# KiCad board Polished Amethyst.kicad_pcb (continued)
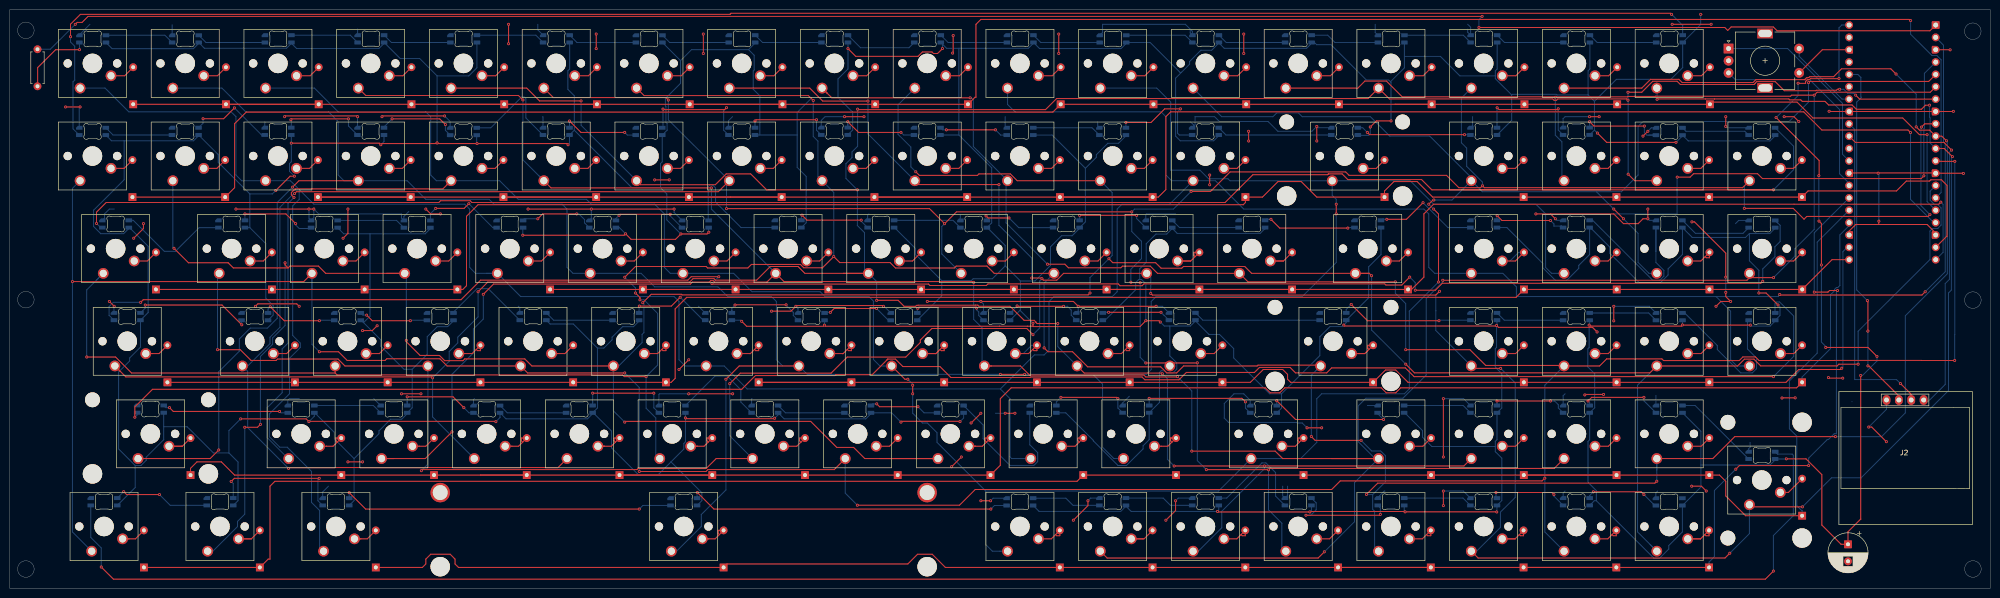
[diagram p0: board, top side]
## Footprints (pads in the part's own frame, mm; a bottom-side part is the same pattern mirrored in y, then rotated)
128x64OLED
  oval 1.6x2 hole 1: 1(-3.62,10.6) 2(-1.08,10.6) 3(1.46,10.6) 4(4,10.6)
CP_Radial_D8.0mm_P3.50mm
  rect 1.6x1.6 hole 0.8: 1(0,0)
  round 1.6 hole 0.8: 2(3.5,0)
D_DO-35_SOD27_P7.62mm_Horizontal
  rect 1.6x1.6 hole 0.8: 1(0,0)
  oval 1.6x1.6 hole 0.8: 2(7.62,0)
LED_MX_6028R
  rrect 1.35x0.82 smd: 1(2.725,0.75) 2(2.725,-0.75) 3(-2.725,0.75) 4(-2.725,-0.75)
R_Axial_DIN0207_L6.3mm_D2.5mm_P7.62mm_Horizontal
  round 1.6 hole 0.8: 1(0,0)
  oval 1.6x1.6 hole 0.8: 2(7.62,0)
RaspberryPi_Pico_Common_THT
  rrect 1.6x1.6 hole 1: 1(0,0)
  round 1.6 hole 1: 2(0,-2.54) 4(0,-7.62) 5(0,-10.16) 6(0,-12.7) 7(0,-15.24) 9(0,-20.32) 10(0,-22.86) 11(0,-25.4) 12(0,-27.94) 14(0,-33.02) 15(0,-35.56) 16(0,-38.1) 17(0,-40.64) 19(0,-45.72) 20(0,-48.26) 21(17.78,-48.26) 22(17.78,-45.72) 24(17.78,-40.64) 25(17.78,-38.1) 26(17.78,-35.56) 27(17.78,-33.02) 29(17.78,-27.94) 30(17.78,-25.4) 31(17.78,-22.86) 32(17.78,-20.32) 34(17.78,-15.24) 35(17.78,-12.7) 36(17.78,-10.16) 37(17.78,-7.62) 39(17.78,-2.54) 40(17.78,0)
  custom 1.6x1.6 hole 1: 3(0,-5.08) 8(0,-17.78) 13(0,-30.48) 18(0,-43.18) 23(17.78,-43.18) 28(17.78,-30.48) 33(17.78,-17.78) 38(17.78,-5.08)
RotaryEncoder_Alps_EC11E-Switch_Vertical_H20mm
  rect 2x2 hole 1: A(0,0)
  round 2 hole 1: B(0,-5) C(0,-2.5) S1(14.5,-5) S2(14.5,0)
  rect 3.2x2 hole 2.8x1.5: MP(7.5,3.1) MP(7.5,-8.1)
STAB_MX_2u
  round 3.048 hole 3.048 unplated: (-11.906,6.985) (11.906,6.985)
  round 3.988 hole 3.988 unplated: (-11.906,-8.255) (11.906,-8.255)
STAB_MX_P_6.25u
  round 4 hole 3.048: (-50.006,6.985) (50.006,6.985)
  round 3.988 hole 3.988 unplated: (-50.006,-8.255) (50.006,-8.255)
SW_Cherry_MX_1.00u_PCB
  round 1.7 hole 1.7 unplated: (-7.62,-5.08) (2.54,-5.08)
  round 4 hole 4 unplated: (-2.54,-5.08)
  round 2.2 hole 1.5: 1(0,0) 2(-6.35,-2.54)

## Nets
GND: A1.3 A1.8 A1.13 A1.18 A1.23 A1.28 A1.33 A1.38 C1.2 J2.1 LED1.4 LED2.4 LED3.4 LED4.4 LED5.4 LED6.4 LED7.4 LED8.4 LED9.4 LED10.4 LED11.4 LED12.4 LED13.4 LED14.4 LED15.4 LED16.4 LED17.4 LED18.4 LED19.4 LED20.4 LED21.4 LED22.4 LED23.4 LED24.4 LED25.4 LED26.4 LED27.4 LED28.4 LED29.4 LED30.4 LED31.4 LED32.4 LED33.4 LED34.4 LED35.4 LED36.4 LED37.4 LED38.4 LED39.4 LED40.4 LED41.4 LED42.4 LED43.4 LED44.4 LED45.4 LED46.4 LED47.4 LED48.4 LED49.4 LED50.4 LED51.4 LED52.4 LED53.4 LED54.4 LED55.4 LED56.4 LED57.4 LED58.4 LED59.4 LED60.4 LED61.4 LED62.4 LED63.4 LED64.4 LED65.4 LED66.4 LED67.4 LED68.4 LED69.4 LED70.4 LED71.4 LED72.4 LED73.4 LED74.4 LED75.4 LED76.4 LED77.4 LED78.4 LED79.4 LED80.4 LED81.4 LED82.4 LED83.4 LED84.4 LED85.4 LED86.4 LED87.4 LED88.4 LED89.4 LED90.4 LED91.4 LED92.4 LED93.4 LED94.4 LED95.4 LED96.4 LED97.4 LED98.4 LED99.4 LED100.4 SW101.C SW101.S1
VCC: A1.40 C1.1 LED1.1 LED2.1 LED3.1 LED4.1 LED5.1 LED6.1 LED7.1 LED8.1 LED9.1 LED10.1 LED11.1 LED12.1 LED13.1 LED14.1 LED15.1 LED16.1 LED17.1 LED18.1 LED19.1 LED20.1 LED21.1 LED22.1 LED23.1 LED24.1 LED25.1 LED26.1 LED27.1 LED28.1 LED29.1 LED30.1 LED31.1 LED32.1 LED33.1 LED34.1 LED35.1 LED36.1 LED37.1 LED38.1 LED39.1 LED40.1 LED41.1 LED42.1 LED43.1 LED44.1 LED45.1 LED46.1 LED47.1 LED48.1 LED49.1 LED50.1 LED51.1 LED52.1 LED53.1 LED54.1 LED55.1 LED56.1 LED57.1 LED58.1 LED59.1 LED60.1 LED61.1 LED62.1 LED63.1 LED64.1 LED65.1 LED66.1 LED67.1 LED68.1 LED69.1 LED70.1 LED71.1 LED72.1 LED73.1 LED74.1 LED75.1 LED76.1 LED77.1 LED78.1 LED79.1 LED80.1 LED81.1 LED82.1 LED83.1 LED84.1 LED85.1 LED86.1 LED87.1 LED88.1 LED89.1 LED90.1 LED91.1 LED92.1 LED93.1 LED94.1 LED95.1 LED96.1 LED97.1 LED98.1 LED99.1 LED100.1
CLM1: A1.2 SW1.1 SW11.1 SW21.1 SW31.1 SW41.1 SW51.1 SW61.1 SW71.1 SW81.1 SW91.1
CLM2: A1.4 SW2.1 SW12.1 SW22.1 SW32.1 SW42.1 SW52.1 SW62.1 SW72.1 SW82.1 SW92.1
CLM3: A1.5 SW3.1 SW13.1 SW23.1 SW33.1 SW43.1 SW53.1 SW63.1 SW73.1 SW83.1 SW93.1
CLM4: A1.6 SW4.1 SW14.1 SW24.1 SW34.1 SW44.1 SW54.1 SW64.1 SW74.1 SW84.1 SW94.1
CLM5: A1.7 SW5.1 SW15.1 SW25.1 SW35.1 SW45.1 SW55.1 SW65.1 SW75.1 SW85.1 SW95.1
CLM6: A1.9 SW6.1 SW16.1 SW26.1 SW36.1 SW46.1 SW56.1 SW66.1 SW76.1 SW86.1 SW96.1
CLM7: A1.10 SW7.1 SW17.1 SW27.1 SW37.1 SW47.1 SW57.1 SW67.1 SW77.1 SW87.1 SW97.1
CLM8: A1.11 SW8.1 SW18.1 SW28.1 SW38.1 SW48.1 SW58.1 SW68.1 SW78.1 SW88.1 SW98.1
CLM9: A1.12 SW9.1 SW19.1 SW29.1 SW39.1 SW49.1 SW59.1 SW69.1 SW79.1 SW89.1 SW99.1
CLM10: A1.14 SW10.1 SW20.1 SW30.1 SW40.1 SW50.1 SW60.1 SW70.1 SW80.1 SW90.1 SW100.1
EC-A: A1.29 SW101.A
EC-B: A1.27 SW101.B
ECSW-A: A1.34 SW101.S2
I2C3.3: A1.36 J2.2
I2C SCL: A1.32 J2.3
I2C SDA: A1.31 J2.4
LED: A1.1 R1.1
ROW1: A1.15 D1.1 D2.1 D3.1 D4.1 D5.1 D6.1 D7.1 D8.1 D9.1 D10.1
ROW2: A1.16 D11.1 D12.1 D13.1 D14.1 D15.1 D16.1 D17.1 D18.1 D19.1 D20.1
ROW3: A1.17 D21.1 D22.1 D23.1 D24.1 D25.1 D26.1 D27.1 D28.1 D29.1 D30.1
ROW4: A1.19 D31.1 D32.1 D33.1 D34.1 D35.1 D36.1 D37.1 D38.1 D39.1 D40.1
ROW5: A1.20 D41.1 D42.1 D43.1 D44.1 D45.1 D46.1 D47.1 D48.1 D49.1 D50.1
ROW6: A1.21 D51.1 D52.1 D53.1 D54.1 D55.1 D56.1 D57.1 D58.1 D59.1 D60.1
ROW7: A1.22 D61.1 D62.1 D63.1 D64.1 D65.1 D66.1 D67.1 D68.1 D69.1 D70.1
ROW8: A1.24 D71.1 D72.1 D73.1 D74.1 D75.1 D76.1 D77.1 D78.1 D79.1 D80.1
ROW9: A1.25 D81.1 D82.1 D83.1 D84.1 D85.1 D86.1 D87.1 D88.1 D89.1 D90.1
ROW10: A1.26 D91.1 D92.1 D93.1 D94.1 D95.1 D96.1 D97.1 D98.1 D99.1 D100.1
Row Eight: LED80.2 LED81.3
Row Five: LED50.2 LED51.3
Row Four: LED40.2 LED41.3
Row Nine: LED90.2 LED91.3
Row One: LED10.2 LED11.3
Row Seven: LED70.2 LED71.3
Row Six: LED60.2 LED61.3
Row Ten: LED100.2
Row Three: LED30.2 LED31.3
Row Two: LED20.2 LED21.3
Net-(D1-A): D1.2 SW1.2
Net-(D2-A): D2.2 SW2.2
Net-(D3-A): D3.2 SW3.2
Net-(D4-A): D4.2 SW4.2
Net-(D5-A): D5.2 SW5.2
Net-(D6-A): D6.2 SW6.2
Net-(D7-A): D7.2 SW7.2
Net-(D8-A): D8.2 SW8.2
Net-(D9-A): D9.2 SW9.2
Net-(D10-A): D10.2 SW10.2
Net-(D11-A): D11.2 SW11.2
Net-(D12-A): D12.2 SW12.2
Net-(D13-A): D13.2 SW13.2
Net-(D14-A): D14.2 SW14.2
Net-(D15-A): D15.2 SW15.2
Net-(D16-A): D16.2 SW16.2
Net-(D17-A): D17.2 SW17.2
Net-(D18-A): D18.2 SW18.2
Net-(D19-A): D19.2 SW19.2
Net-(D20-A): D20.2 SW20.2
Net-(D21-A): D21.2 SW21.2
Net-(D22-A): D22.2 SW22.2
Net-(D23-A): D23.2 SW23.2
Net-(D24-A): D24.2 SW24.2
Net-(D25-A): D25.2 SW25.2
Net-(D26-A): D26.2 SW26.2
Net-(D27-A): D27.2 SW27.2
Net-(D28-A): D28.2 SW28.2
Net-(D29-A): D29.2 SW29.2
Net-(D30-A): D30.2 SW30.2
Net-(D31-A): D31.2 SW31.2
Net-(D32-A): D32.2 SW32.2
Net-(D33-A): D33.2 SW33.2
Net-(D34-A): D34.2 SW34.2
Net-(D35-A): D35.2 SW35.2
Net-(D36-A): D36.2 SW36.2
Net-(D37-A): D37.2 SW37.2
Net-(D38-A): D38.2 SW38.2
Net-(D39-A): D39.2 SW39.2
Net-(D40-A): D40.2 SW40.2
Net-(D41-A): D41.2 SW41.2
Net-(D42-A): D42.2 SW42.2
Net-(D43-A): D43.2 SW43.2
Net-(D44-A): D44.2 SW44.2
Net-(D45-A): D45.2 SW45.2
Net-(D46-A): D46.2 SW46.2
Net-(D47-A): D47.2 SW47.2
Net-(D48-A): D48.2 SW48.2
Net-(D49-A): D49.2 SW49.2
Net-(D50-A): D50.2 SW50.2
Net-(D51-A): D51.2 SW51.2
Net-(D52-A): D52.2 SW52.2
Net-(D53-A): D53.2 SW53.2
Net-(D54-A): D54.2 SW54.2
Net-(D55-A): D55.2 SW55.2
Net-(D56-A): D56.2 SW56.2
Net-(D57-A): D57.2 SW57.2
Net-(D58-A): D58.2 SW58.2
Net-(D59-A): D59.2 SW59.2
Net-(D60-A): D60.2 SW60.2
Net-(D61-A): D61.2 SW61.2
Net-(D62-A): D62.2 SW62.2
Net-(D63-A): D63.2 SW63.2
Net-(D64-A): D64.2 SW64.2
Net-(D65-A): D65.2 SW65.2
Net-(D66-A): D66.2 SW66.2
Net-(D67-A): D67.2 SW67.2
Net-(D68-A): D68.2 SW68.2
Net-(D69-A): D69.2 SW69.2
Net-(D70-A): D70.2 SW70.2
Net-(D71-A): D71.2 SW71.2
Net-(D72-A): D72.2 SW72.2
Net-(D73-A): D73.2 SW73.2
Net-(D74-A): D74.2 SW74.2
Net-(D75-A): D75.2 SW75.2
Net-(D76-A): D76.2 SW76.2
Net-(D77-A): D77.2 SW77.2
Net-(D78-A): D78.2 SW78.2
Net-(D79-A): D79.2 SW79.2
Net-(D80-A): D80.2 SW80.2
Net-(D81-A): D81.2 SW81.2
Net-(D82-A): D82.2 SW82.2
Net-(D83-A): D83.2 SW83.2
Net-(D84-A): D84.2 SW84.2
Net-(D85-A): D85.2 SW85.2
Net-(D86-A): D86.2 SW86.2
Net-(D87-A): D87.2 SW87.2
Net-(D88-A): D88.2 SW88.2
Net-(D89-A): D89.2 SW89.2
Net-(D90-A): D90.2 SW90.2
Net-(D91-A): D91.2 SW91.2
Net-(D92-A): D92.2 SW92.2
Net-(D93-A): D93.2 SW93.2
Net-(D94-A): D94.2 SW94.2
Net-(D95-A): D95.2 SW95.2
Net-(D96-A): D96.2 SW96.2
Net-(D97-A): D97.2 SW97.2
Net-(D98-A): D98.2 SW98.2
Net-(D99-A): D99.2 SW99.2
Net-(D100-A): D100.2 SW100.2
Net-(LED1-DIN): LED1.3 R1.2
Net-(LED1-DOUT): LED1.2 LED2.3
Net-(LED2-DOUT): LED2.2 LED3.3
Net-(LED3-DOUT): LED3.2 LED4.3
Net-(LED4-DOUT): LED4.2 LED5.3
Net-(LED5-DOUT): LED5.2 LED6.3
Net-(LED6-DOUT): LED6.2 LED7.3
Net-(LED7-DOUT): LED7.2 LED8.3
Net-(LED8-DOUT): LED8.2 LED9.3
Net-(LED10-DIN): LED9.2 LED10.3
Net-(LED11-DOUT): LED11.2 LED12.3
Net-(LED12-DOUT): LED12.2 LED13.3
Net-(LED13-DOUT): LED13.2 LED14.3
Net-(LED14-DOUT): LED14.2 LED15.3
Net-(LED15-DOUT): LED15.2 LED16.3
Net-(LED16-DOUT): LED16.2 LED17.3
Net-(LED17-DOUT): LED17.2 LED18.3
Net-(LED18-DOUT): LED18.2 LED19.3
Net-(LED19-DOUT): LED19.2 LED20.3
Net-(LED21-DOUT): LED21.2 LED22.3
Net-(LED22-DOUT): LED22.2 LED23.3
Net-(LED23-DOUT): LED23.2 LED24.3
Net-(LED24-DOUT): LED24.2 LED25.3
Net-(LED25-DOUT): LED25.2 LED26.3
Net-(LED26-DOUT): LED26.2 LED27.3
Net-(LED27-DOUT): LED27.2 LED28.3
Net-(LED28-DOUT): LED28.2 LED29.3
Net-(LED29-DOUT): LED29.2 LED30.3
Net-(LED31-DOUT): LED31.2 LED32.3
Net-(LED32-DOUT): LED32.2 LED33.3
Net-(LED33-DOUT): LED33.2 LED34.3
Net-(LED34-DOUT): LED34.2 LED35.3
Net-(LED35-DOUT): LED35.2 LED36.3
Net-(LED36-DOUT): LED36.2 LED37.3
Net-(LED37-DOUT): LED37.2 LED38.3
Net-(LED38-DOUT): LED38.2 LED39.3
Net-(LED39-DOUT): LED39.2 LED40.3
Net-(LED41-DOUT): LED41.2 LED42.3
Net-(LED42-DOUT): LED42.2 LED43.3
Net-(LED43-DOUT): LED43.2 LED44.3
Net-(LED44-DOUT): LED44.2 LED45.3
Net-(LED45-DOUT): LED45.2 LED46.3
Net-(LED46-DOUT): LED46.2 LED47.3
Net-(LED47-DOUT): LED47.2 LED48.3
Net-(LED48-DOUT): LED48.2 LED49.3
Net-(LED49-DOUT): LED49.2 LED50.3
Net-(LED51-DOUT): LED51.2 LED52.3
Net-(LED52-DOUT): LED52.2 LED53.3
Net-(LED53-DOUT): LED53.2 LED54.3
Net-(LED54-DOUT): LED54.2 LED55.3
Net-(LED55-DOUT): LED55.2 LED56.3
Net-(LED56-DOUT): LED56.2 LED57.3
Net-(LED57-DOUT): LED57.2 LED58.3
Net-(LED58-DOUT): LED58.2 LED59.3
Net-(LED59-DOUT): LED59.2 LED60.3
Net-(LED61-DOUT): LED61.2 LED62.3
Net-(LED62-DOUT): LED62.2 LED63.3
Net-(LED63-DOUT): LED63.2 LED64.3
Net-(LED64-DOUT): LED64.2 LED65.3
Net-(LED65-DOUT): LED65.2 LED66.3
Net-(LED66-DOUT): LED66.2 LED67.3
Net-(LED67-DOUT): LED67.2 LED68.3
Net-(LED68-DOUT): LED68.2 LED69.3
Net-(LED69-DOUT): LED69.2 LED70.3
Net-(LED71-DOUT): LED71.2 LED72.3
Net-(LED72-DOUT): LED72.2 LED73.3
Net-(LED73-DOUT): LED73.2 LED74.3
Net-(LED74-DOUT): LED74.2 LED75.3
Net-(LED75-DOUT): LED75.2 LED76.3
Net-(LED76-DOUT): LED76.2 LED77.3
Net-(LED77-DOUT): LED77.2 LED78.3
Net-(LED78-DOUT): LED78.2 LED79.3
Net-(LED79-DOUT): LED79.2 LED80.3
Net-(LED81-DOUT): LED81.2 LED82.3
Net-(LED82-DOUT): LED82.2 LED83.3
Net-(LED83-DOUT): LED83.2 LED84.3
Net-(LED84-DOUT): LED84.2 LED85.3
Net-(LED85-DOUT): LED85.2 LED86.3
Net-(LED86-DOUT): LED86.2 LED87.3
Net-(LED87-DOUT): LED87.2 LED88.3
Net-(LED88-DOUT): LED88.2 LED89.3
Net-(LED89-DOUT): LED89.2 LED90.3
Net-(LED91-DOUT): LED91.2 LED92.3
Net-(LED92-DOUT): LED92.2 LED93.3
Net-(LED93-DOUT): LED93.2 LED94.3
Net-(LED94-DOUT): LED94.2 LED95.3
Net-(LED95-DOUT): LED95.2 LED96.3
Net-(LED96-DOUT): LED96.2 LED97.3
Net-(LED97-DOUT): LED97.2 LED98.3
Net-(LED98-DOUT): LED98.2 LED99.3
Net-(LED100-DIN): LED99.2 LED100.3

Pads without a net: A1 30 35 37 39; SW101 MP

## Via types
v1: diameter 0.6, hole 0.3, Top to Bottom, 419 vias

## Routing (per net, layer and track width the routed paths; a pad name or vN(x,y) marks a point on that pad's centre or on a via; arc(x,y) is an arc through that point)
GND: length 749.9
  Top w0.2: v1(142.46,110) v1(142.46,114) ; v1(329.46,55) v1(329.46,58) ; 316.46,77 v1(313.46,77) ; 316.46,77 v1(317.46,76) ; 316.46,77 329.46,77 331.46,75 334.46,75 335.46,76 v1(336.46,76) v1(336.46,78) ; v1(294.46,39) v1(294.46,27) ; v1(268.46,92) v1(268.46,95) ; v1(75.46,54) 74.46,53 v1(72.46,53) ; v1(221.46,18) 221.46,17 v1(218.46,14) ; A1.18 395.58,73.07 393.83,74.82 383.88,74.82 ; v1(215.46,114) v1(215.46,110) ; v1(336.46,94) v1(335.46,93) ; v1(46.46,78) v1(61.46,78) v1(62.46,78) ; v1(327.36,39.87) 326.76,39.87 326.77,39.88 323.62,39.88 v1(323.51,39.77) ; v1(188.46,59) v1(199.46,59) 218.46,59 v1(219.46,58) v1(235.46,58) ; v1(352.46,64) 352.46,68.94 346.04,75.36 v1(345.51,75.36) ; v1(193.46,25) v1(195.46,27) ; v1(136.46,78) v1(119.46,78) v1(106.46,78) ; v1(352.46,95) v1(352.46,97) ; v1(373.55,43.34) 373.67,43.22 v1(376.49,43.22) ; v1(352.46,60.87) 352.46,60 v1(353.46,59) 351.46,59 v1(350.46,58) ; v1(69.46,26) v1(72.46,26) ; A1.38 372.3,110.77 SW101.S1 ; v1(156.46,57) 160.46,57 v1(161.46,58) 161.61,58.15 179.31,58.15 v1(179.46,58) ; v1(237.46,14) 239.46,16 v1(239.46,18) ; v1(193.66,110.08) 193.78,110.2 v1(193.78,113.69) ; v1(246.46,83) v1(246.46,85) ; v1(135.46,84) v1(132.46,84) ; v1(21.46,58) v1(20.46,59) ; 89.46,97 v1(89.31,97.15) 76.61,97.15 v1(76.46,97) ; v1(398.55,110.75) 398.42,110.75 398.41,110.76 398.41,110.78 398.4,110.77 A1.3 ; v1(364.46,97) 366.46,97 v1(367.46,96) ; v1(120.46,111) v1(120.46,114) ; v1(69.46,78) 69.46,73 v1(68.46,72) ; v1(383.91,75.51) 383.88,75.48 383.88,74.82 ; v1(381.82,33.16) 382.44,33.16 v1(385.45,30.15) ; v1(399.21,98.1) 399.18,98.07 A1.8 ; 383.88,74.82 379.15,74.82 377.8,73.47 A1.23 ; v1(88.46,77) 86.46,77 v1(85.46,78) ; v1(364.02,39.14) 364.05,39.17 v1(366.72,39.17) ; v1(294.46,20) v1(294.46,17) ; v1(59.46,58) 58.95,58.51 50.97,58.51 v1(50.46,58) ; 395.58,97.43 A1.8 ; A1.8 A1.33 373.73,98.07 v1(373.69,98.11) ; v1(324.46,97) v1(326.46,97) ; v1(345.46,21) 347.46,21 v1(348.46,20) ; v1(14.46,99) v1(11.46,99) ; v1(206.46,36) v1(204.46,36) ; v1(71.46,97) 71.31,97.15 56.61,97.15 v1(56.46,97) ; v1(139.46,40) v1(148.49,40) ; v1(199.46,36) v1(197.46,34) ; v1(137.46,45) v1(139.46,47) ; A1.28 377.86,85.43 395.52,85.43 A1.13 401.23,85.37 v1(401.27,85.33) ; v1(80.46,40) v1(84.46,40) ; v1(253.46,114) v1(253.46,110) ; v1(25.46,72) 27.46,74 v1(27.46,75) ; v1(171.46,97) v1(175.46,97) ; v1(102.46,112) v1(102.46,116) ; v1(341.46,116) v1(349.46,116) ; v1(266.46,33) v1(269.46,33) ; v1(201.46,18) v1(199.46,18) ; v1(254.46,94) v1(254.46,92)
  Bottom w0.2: LED53.4 336.78,75.68 v1(336.46,76) ; LED46.4 195.25,76.79 ; LED37.4 19.46,76.13 19.46,77 20.46,78 21.46,78 ; 152.46,39 152.37,38.91 LED78.4 ; v1(381.82,33.16) 385.48,36.82 J2.1 ; 242.46,115 242.46,114.21 LED13.4 242.91,114.55 241.46,116 224.46,116 224.46,114.34 LED12.4 ; LED48.4 233.33,76.87 233.46,77 239.46,77 ; 378.39,38.37 378.37,38.39 ; v1(383.91,75.51) 383.91,85.23 v1(383.76,85.38) ; 109.46,97 109.52,96.94 LED24.4 ; v1(294.46,39) 298.61,39 LED85.4 ; 65.46,21 64.27,19.81 LED91.4 ; 108.46,116 108.46,114.86 LED6.4 ; LED94.4 222.01,18.55 v1(221.46,18) ; LED29.4 204.46,95.04 204.46,97 ; LED65.4 219.46,57.05 v1(219.46,58) ; 338.46,20 338.1,19.64 LED100.4 ; LED70.4 336.75,58 v1(329.46,58) ; 148.46,97 147.62,96.16 LED26.4 ; 229.96,39.5 228.58,38.12 LED82.4 ; v1(201.46,18) 201.99,18.53 LED93.4 ; 282.46,20 282.32,20 280.97,18.65 LED97.4 ; v1(336.46,94) 337.17,94.71 LED35.4 ; LED64.4 200.01,58.45 v1(199.46,59) ; 261.46,21 261.46,19 LED96.4 262.46,19.1 262.46,21 ; 52.46,96 52.38,95.92 LED21.4 ; v1(352.46,95) 352.74,94.72 LED36.4 ; LED42.4 119.46,76.09 v1(119.46,78) ; v1(89.31,97.15) 90.46,96 LED23.4 ; v1(179.46,58) 179.58,58 LED63.4 ; v1(294.46,20) 298.55,20 LED98.4 ; v1(71.46,97) 71.42,96.96 LED22.4 ; LED83.4 254.78,38.68 253.46,40 251.46,40 249.46,38 249.46,35 250.35,34.11 264.35,34.11 264.46,34 265.46,34 v1(266.46,33) ; LED87.4 338.12,39.66 ; LED59.4 104.76,57.7 104.46,58 ; LED45.4 176.2,76.74 176.46,77 ; 319.46,40 319.06,39.6 LED86.4 ; v1(161.46,58) 161.91,57.55 LED62.4 ; v1(317.46,76) 317.77,75.69 LED52.4 ; LED55.4 21.4,57.94 v1(21.46,58) ; 319.46,20 319.06,19.6 LED99.4 ; LED19.4 14.28,98.82 v1(14.46,99) ; v1(61.46,78) 61.46,76.1 LED39.4 62.46,76.24 v1(62.46,78) 63.46,77 80.46,77 80.46,76.15 LED40.4 80.95,76.49 81.96,77.5 ; LED54.4 355.13,75.67 354.46,75 ; LED15.4 280.46,114.3 280.46,116 ; LED4.4 71.45,114.99 71.46,115 ; LED27.4 166.68,96.22 167.46,97 v1(171.46,97) ; LED1.4 14.31,113.85 16.46,116 ; v1(204.46,36) 202.46,36 ; LED75.4 95.25,38.79 95.46,39 ; LED32.4 268.73,94.73 v1(268.46,95) 267.46,94 260.46,94 258.46,96 248.46,96 247.46,97 243.46,97 243.46,95.33 LED31.4 243.13,95 243.13,95.33 242.46,96 ; LED33.4 300.46,95.17 300.46,97 ; LED66.4 236.74,58 v1(235.46,58) ; LED61.4 142.82,56.64 141.46,58 ; LED43.4 136.46,77.3 v1(136.46,78) ; 223.46,96 223.46,95.06 LED30.4 ; LED84.4 278.86,37.6 ; LED2.4 33.36,115.9 ; LED88.4 357.16,28.7 357.46,29 357.46,30 ; v1(324.46,97) 319.46,97 319.05,96.59 LED34.4 ; LED73.4 57.11,38.65 57.46,39 59.46,39 ; LED95.4 240.01,18.55 v1(239.46,18) ; 299.46,116 300.06,115.4 LED16.4 299.46,114.36 299.46,115 ; v1(139.46,40) 133.46,40 133.33,39.87 LED77.4 ; LED74.4 74.77,39 ; v1(352.46,64) v1(352.46,60.87)
VCC: length 2387
  Top w0.2: v1(324.4,54.13) 324.61,53.92 343.33,53.92 v1(343.57,54.16) 343.6,54.13 v1(357.52,54.13) ; v1(279.44,94.88) 280.69,96.13 v1(283.71,96.13) ; 210.17,53.9 v1(210.17,54.51) ; 210.17,53.9 210.24,53.82 232.14,53.82 v1(233.35,55.03) 236.05,55.03 v1(236.32,54.77) ; 210.17,53.9 209,53.9 208.99,53.9 203.33,53.9 203.33,53.9 167.56,53.9 v1(167.33,54.13) 167.1,53.89 151.36,53.89 v1(150.34,54.91) ; v1(371.58,84.87) 371.59,84.86 371.64,84.86 371.64,87.98 v1(362.8,96.82) ; 380.18,14.24 377.57,11.63 C1.1 376.16,9.04 372.19,13.01 372.19,23.37 368.95,26.62 v1(364.9,26.62) ; 380.18,14.24 v1(380.18,43.76) ; 380.18,14.24 380.18,14.12 ; v1(363.2,58.27) 360.74,60.73 v1(359.26,60.73) ; 95.99,91.47 v1(95.98,91.47) ; 95.99,91.47 114.44,91.47 v1(114.68,91.23) ; 95.99,91.47 95.99,91.47 87.77,91.47 ; v1(99.85,34.27) 99.78,34.34 61.52,34.34 v1(61.46,34.27) 60.88,34.85 v1(47.43,34.85) ; v1(347.31,118.05) 347.53,118.05 347.53,118.05 ; 87.77,91.47 v1(87.77,91.61) ; 87.77,91.47 76.47,91.47 v1(76.22,91.23) 75.89,91.55 v1(57.83,91.55) ; v1(138.78,35.04) 138.95,34.88 157.02,34.88 v1(157.11,34.97) ; v1(58.47,84.76) 57.58,84.76 v1(54.66,81.83) ; v1(305.43,15.69) 305.4,15.72 v1(286.59,15.72) 286.51,15.8 267.14,15.8 v1(267.04,15.7) 248.16,15.7 v1(248.05,15.81) ; v1(372.11,66.5) 372.11,75.03 v1(371.61,75.53) ; v1(195.18,34.28) 195.12,34.34 183.23,34.34 v1(183.06,34.17) ; v1(172.17,111) 173.76,109.41 186.57,109.41 187.47,110.31 189.41,110.31 189.72,110 190.57,110 v1(191.58,111) ; v1(105.38,72.62) 126.2,72.62 v1(126.49,72.91) 127.63,71.77 136.74,71.77 v1(137.85,72.88) 143.23,72.88 v1(143.59,73.24) ; v1(375.72,104.85) 375.69,104.82 369.85,104.82 369.68,104.65 369.55,104.65 369.49,104.6 369.21,104.6 368.86,104.25 368.86,103.86 367.32,103.86 v1(367.32,103.89) ; v1(326.03,52.72) 325.09,53.67 305.76,53.67 v1(305.39,54.05) 305.28,53.94 274.2,53.94 v1(274.01,54.14) ; v1(326.1,93.63) 328,91.72 v1(342.25,91.72) ; v1(373,49.54) 381.67,49.54 v1(383.52,47.69) 383.58,47.63
  Bottom w0.2: 308.49,101.47 308.6,101.59 317.7,101.59 317.81,101.47 324.19,101.47 ; 308.49,101.47 308.49,96.25 LED33.1 ; 308.49,101.47 305.14,104.83 305.14,105.39 ; 248.36,112.16 LED13.1 ; 248.36,112.16 246.86,110.66 244.65,110.66 242.34,108.35 242.34,107.8 240.64,106.1 ; 248.36,112.16 249.46,111.06 266.35,111.06 267.41,112.12 LED14.1 267.98,112.26 268.43,111.81 271.38,111.81 278.65,104.54 283.23,104.54 283.59,104.18 ; 238.78,74 237.63,72.85 235.41,72.85 233.42,70.86 233.42,67.04 232.09,65.71 232.09,63.5 ; 238.78,74 239.79,72.99 256.83,72.99 257.85,74.02 257.85,74.14 ; 238.78,74 238.78,74.13 ; v1(364.9,26.62) 364.87,26.59 LED88.1 362.61,26.41 361.55,25.35 347.36,25.35 ; 137.78,108.53 140.03,110.78 151.75,110.78 ; 137.78,108.53 137.78,103.86 134.67,100.75 134.67,99.2 134.78,99.09 134.78,95.86 135.02,95.62 135.02,94.22 LED25.1 134.02,87.72 133.67,87.37 133.67,82.39 ; 137.78,108.53 LED7.1 ; 82.66,45.05 85.75,48.13 85.75,51.75 87.82,53.82 89.96,53.82 91.14,55 LED58.1 ; 82.66,45.05 82.66,37.12 LED74.1 ; 82.66,45.05 80.98,45.05 76.21,49.81 76.21,51.09 72.66,54.64 ; 157.82,36.04 LED78.1 ; 157.82,36.04 157.82,35.68 v1(157.11,34.97) ; 157.82,36.04 LED78.1 ; LED78.1 159.06,34.85 175.82,34.85 176.89,35.92 LED79.1 181.14,36.09 v1(183.06,34.17) ; A1.40 376.28,115.85 375.72,115.29 v1(375.72,104.85) ; LED64.1 207.51,57.18 ; 207.51,57.18 v1(210.17,54.51) ; 207.51,57.18 207.58,57.25 207.58,63.21 ; 325.49,94.24 325.49,100.17 ; 325.49,94.24 LED34.1 ; 325.49,94.24 v1(326.1,93.63) ; 325.49,100.17 330,104.68 341.2,104.68 343.62,107.11 LED18.1 347.31,115.95 v1(347.31,118.05) ; 325.49,100.17 324.19,101.47 ; v1(126.49,72.91) 125.23,74.17 LED42.1 ; v1(143.59,73.24) 143.54,73.28 LED43.1 ; 70.73,26.68 70.73,18.04 LED91.1 ; 70.73,26.68 75.84,31.79 75.84,32.38 78.24,34.77 80.49,34.77 81.63,35.92 81.63,36.04 ; 70.73,26.68 66.68,30.72 66.68,32.06 62.65,36.09 LED73.1 62.56,35.38 v1(61.46,34.27) ; v1(283.71,96.13) 283.71,104.05 283.59,104.18 ; LED51.1 307.51,74.19 314.88,66.82 314.88,65.93 317.48,63.32 319.79,63.32 322.26,65.8 322.26,66.41 324.5,68.65 LED52.1 324.63,74.19 328.65,70.17 328.65,68.91 334.69,62.87 339.04,62.87 340.62,64.44 340.62,65.71 343.56,68.66 LED53.1 345.58,72.16 356.52,72.16 357.32,72.96 ; 161.74,93.23 161.74,86.56 163.59,84.71 163.59,75.18 LED44.1 ; 161.74,93.23 161.74,97.88 164.8,100.95 170.12,100.95 ; 161.74,93.23 154.07,93.23 ; 49.31,74.18 52.59,70.9 52.59,59.67 54.11,58.16 54.11,56.19 LED56.1 ; 49.31,74.18 49.31,81.11 ; 49.31,74.18 LED38.1 ; 325.87,18.01 325.87,20.09 324.16,21.8 324.16,30.21 324.51,30.56 LED86.1 ; 325.87,18.01 325.47,18.01 LED99.1 ; 325.87,18.01 337.69,6.19 338.87,6.19 340.75,8.08 340.75,8.78 343.55,11.58 LED100.1 347.36,20.83 347.36,25.35 ; LED11.1 210.34,112.19 ; 210.34,112.19 211.52,111.01 228.25,111.01 229.32,112.08 LED12.1 234.23,112.25 240.38,106.1 240.64,106.1 ; 210.34,112.19 209.21,111.06 194.95,111.06 ; 120.71,49.4 115.76,54.35 111,54.35 LED59.1 ; 120.71,49.4 120.71,37.08 119.78,36.15 ; 120.71,49.4 122.03,49.4 123.72,51.1 123.72,51.64 125.89,53.81 128.12,53.81 129.26,54.96 LED60.1 ; 240.64,106.1 239.46,104.93 239.46,93 240.42,92.04 247.28,92.04 248.31,93.07 LED31.1 ; LED47.1 219.75,74.13 219.75,74.13 ; LED47.1 220.93,75.36 220.93,86.39 ; LED47.1 219.75,74.13 ; 170.12,100.95 170.12,104.77 172.17,106.81 v1(172.17,111) LED9.1 ; 170.12,100.95 173.14,97.93 173.14,94.26 LED27.1 ; LED97.1 286.42,15.89 v1(286.59,15.72) ; LED8.1 153.12,112.15 151.75,110.78 ; 151.75,110.78 152.91,109.63 152.91,106.6 152.71,106.41 152.71,102.65 154.07,101.29 154.07,93.23 ; 257.85,74.14 LED49.1 257.85,74.14 257.85,74.14 ; 204.45,66.29 201.83,63.66 197.88,63.66 197.49,63.27 191.44,63.27 ; 204.45,66.29 204.45,70.51 200.79,74.17 LED46.1 201.7,75.16 201.7,86.48 194.95,93.23 ; 204.45,66.29 204.5,66.29 207.58,63.21 ; 324.56,36.13 325.55,37.12 325.55,44.11 324.14,45.52 324.14,49.23 324.4,49.5 v1(324.4,54.13) 324.51,54.24 ; 324.56,36.13 LED86.1 ; 324.56,36.13 LED86.1 ; LED19.1 20.91,92.04 23.51,92.04 ; v1(373,49.54) 373,49.57 373.09,49.66 372.11,50.64 v1(372.11,66.5) ; v1(383.52,47.69) 383.52,46.75 380.53,43.76 v1(380.18,43.76) 380.09,43.76 ; v1(233.35,55.03) 233.35,62.62 232.47,63.5 232.09,63.5 ; v1(371.58,84.87) 371.58,75.56 v1(371.61,75.53) ; 72.66,54.64 72.18,55.13 LED57.1 ; 72.66,54.64 74,55.97 74,72.91 ; LED87.1 347.36,32.3 347.36,25.35 ; 25.77,25.24 25.77,20.73 LED89.1 ; 25.77,25.24 22.36,28.66 22.36,44.49 24.63,46.75 24.63,47.38 26.85,49.6 LED55.1 28.43,56.72 28.43,70.34 24.59,74.18 LED37.1 24.46,74 23.39,72.93 18.69,72.93 17.22,74.41 17.22,77.76 23.51,84.05 23.51,92.04 ; 25.77,25.24 26.95,25.24 28.03,26.32 28.03,26.97 31.62,30.56 31.62,33.23 ; 324.19,101.47 324.19,106.43 324.56,106.8 LED17.1 ; LED45.1 181.74,74.18 186.01,69.92 186.01,68.7 191.44,63.27 ; 81.63,36.04 LED74.1 ; 81.63,36.04 LED74.1 ; LED66.1 243.54,54.98 ; 243.54,54.98 246.32,52.21 248.48,52.21 251.39,49.31 251.39,47.39 258.77,40 261.23,40 ; 243.54,54.98 242.5,53.94 238.28,53.94 ; v1(114.68,91.23) 114.97,91.52 LED24.1 115.96,94.21 ; 362.6,93.17 LED36.1 362.6,93.17 362.6,93.17 ; 362.6,93.17 362.6,93.08 361.54,92.02 344.76,92.02 LED35.1 ; v1(367.32,103.89) 367.32,101.34 v1(362.8,96.82) ; 57.86,112.08 LED3.1 ; 57.86,112.08 58.91,111.03 75.83,111.03 76.9,112.1 LED4.1 80.2,108.96 84.21,108.96 87.77,105.39 ; 57.86,112.08 56.85,111.07 39.99,111.07 LED2.1 38.81,112.07 37.73,111 21.01,111 LED1.1 ; LED70.1 v1(343.57,54.16) ; 357.32,72.96 357.32,67.35 359.26,65.41 v1(359.26,60.73) ; 357.32,72.96 361.51,72.96 362.61,74.06 362.61,74.12 ; LED41.1 105.38,74.1 v1(105.38,72.62) ; LED21.1 v1(57.83,91.55) 57.83,87.73 57.46,87.36 57.46,85.76 v1(58.47,84.76) ; 229.26,16.88 230.33,15.81 v1(248.05,15.81) 248.32,16.08 248.32,17.03 ; 229.26,16.88 LED94.1 ; 229.26,16.88 228.2,15.81 211.42,15.81 LED93.1 ; 324.51,54.24 v1(326.03,52.72) ; 324.51,54.24 LED69.1 ; v1(76.22,91.23) 76.87,91.88 LED22.1 ; 274.5,55.12 274.5,54.63 v1(274.01,54.14) 273.7,53.83 271.17,53.83 269.09,51.74 269.09,47.86 261.23,40 ; 274.5,55.12 LED67.1 ; 274.5,55.12 LED67.1 ; 219.75,74.13 219.75,74.06 218.21,72.51 216.04,72.51 213.77,70.24 213.77,66.41 210.57,63.21 207.58,63.21 ; 45.02,27.84 46.89,25.96 46.89,18.03 LED90.1 ; 45.02,27.84 41.83,27.84 36.44,33.23 31.62,33.23 ; 45.02,27.84 45.02,32.44 v1(47.43,34.85) ; v1(95.98,91.47) 95.91,91.54 95.91,93.16 ; 49.31,81.11 53.94,81.11 v1(54.66,81.83) ; 49.31,81.11 42.83,87.6 42.83,89.19 38.94,93.07 38.78,93.07 ; 261.23,40 261.23,37.07 LED83.1 ; 305.14,105.39 297.85,105.39 293.85,109.4 286.46,109.4 ; 305.14,105.39 305.14,106.43 305.51,106.8 LED16.1 ; 220.93,86.39 214.1,93.22 LED29.1 ; 220.93,86.39 223.19,88.65 223.19,89.18 225.53,91.53 227.73,91.53 229.25,93.05 LED30.1 ; 238.78,74.13 238.78,74.13 LED48.1 238.78,74.13 ; 286.46,109.4 286.46,107.05 283.59,104.18 ; 286.46,109.4 LED15.1 ; LED50.1 281.65,68.66 279.12,66.12 279.12,59.75 LED67.1 ; 95.91,93.16 LED23.1 95.91,93.16 ; 154.07,93.23 LED26.1 ; 305.12,29.16 292.1,29.16 290.17,31.08 290.17,32.44 286.51,36.1 LED84.1 ; 305.12,29.16 305.12,30.22 305.47,30.57 LED85.1 306.46,37.07 306.46,44.15 305.12,45.48 305.12,49.27 305.39,49.53 v1(305.39,54.05) 305.47,54.14 LED68.1 ; 305.12,29.16 305.12,28.1 306.47,26.75 306.47,18.05 LED98.1 305.46,15.73 v1(305.43,15.69) ; LED35.1 343.57,93.16 ; LED35.1 343.57,93.16 343.57,93.16 ; 343.57,93.16 343.57,93.05 v1(342.25,91.72) ; 194.95,111.06 192.43,111.06 LED10.1 191.58,111.91 v1(191.58,111) ; 194.95,111.06 194.95,93.23 ; 191.44,63.27 191.44,60.16 LED63.1 ; LED65.1 225,55.14 231.26,61.41 231.26,62.87 231.89,63.5 232.09,63.5 ; LED20.1 38.78,93.07 ; 38.78,93.07 37.75,92.04 23.51,92.04 ; 248.32,17.03 LED95.1 248.32,17.03 ; v1(357.52,54.13) 357.72,53.93 361.57,53.93 362.62,54.98 LED71.1 363.6,56.11 363.6,57.87 v1(363.2,58.27) ; v1(87.77,91.61) 87.77,105.39 ; 87.77,105.39 94.29,105.39 95.96,107.06 LED5.1 ; 135.81,25.99 142.16,19.65 142.16,18.03 LED92.1 ; 135.81,25.99 138.46,28.64 138.46,29.8 138.78,30.12 v1(138.78,35.04) LED77.1 ; 135.81,25.99 133.23,23.41 129.06,23.41 123.59,28.88 123.59,32.35 119.78,36.15 ; 115.96,94.21 127.78,82.39 133.67,82.39 ; 115.96,94.21 115.96,101.3 114.64,102.62 114.64,106.43 115.01,106.8 LED6.1 ; 362.61,74.12 362.61,74.12 LED54.1 362.61,74.12 ; LED81.1 216.9,36.09 222.56,30.43 222.56,30.32 227.63,25.25 229.37,25.25 232.78,28.67 232.78,29.32 234.03,30.56 LED82.1 236.14,38.21 236.14,44.38 236.51,44.74 237.15,44.74 237.56,44.32 238.94,44.32 239.7,45.09 239.7,46.36 238.28,47.79 238.28,53.94 ; 119.78,36.15 LED76.1 119.72,35.92 118.66,34.85 101.93,34.85 LED75.1 100.7,35.13 v1(99.85,34.27) ; v1(236.32,54.77) 237.14,53.94 238.28,53.94 ; 74,72.91 85.33,72.91 86.4,73.98 LED40.1 ; 74,72.91 68.6,72.91 LED39.1 ; LED32.1 276.96,93.17 279.1,93.17 279.44,93.51 v1(279.44,94.88) ; LED72.1 31.62,33.23 ; 133.67,82.39 134.96,81.11 134.96,75.78 v1(137.85,72.88) ; LED61.1 150.11,55.14 v1(150.34,54.91) ; 194.95,93.23 LED28.1 ; LED80.1 195.92,35.02 v1(195.18,34.28) ; LED62.1 167.36,54.16 v1(167.33,54.13) ; 267.36,17 LED96.1 267.36,17 ; 267.36,17 267.36,16.03 v1(267.04,15.7)
CLM1: length 713.1
  Top w0.2: v1(363.55,60.44) 363.67,60.32 392.75,60.32 v1(393.43,60.99)
  Bottom w0.2: 350.46,60 353.46,57 353.46,47 354.73,45.73 356.04,45.73 ; 350.46,60 309.46,60 309.46,62 306.68,64.78 300.2,64.78 ; 350.46,60 363.3,60 363.3,60.18 v1(363.55,60.44) ; 97.93,64.78 100.17,64.78 ; 97.93,64.78 100.17,64.78 ; 97.93,64.78 95.68,64.78 94.46,66 94.46,78 93.46,79 62.46,79 59.63,81.83 ; 100.17,64.78 104.95,60 136.46,60 137.46,59 137.46,47 138.73,45.73 SW61.1 146.73,45.73 151.46,41 203.46,41 ; 100.17,64.78 SW41.1 ; 203.46,41 205.46,39 205.46,27 205.78,26.68 209.71,26.68 SW81.1 ; 203.46,41 210.46,48 212.46,48 213.46,49 213.46,59 214.46,60 226.46,60 227.46,61 227.46,78 228.46,79 238.22,79 SW31.1 ; 59.63,81.83 57.63,83.83 SW21.1 47.63,83.83 46.46,85 46.46,97 45.46,98 24.46,98 19.58,102.88 SW1.1 ; 59.63,81.83 59.46,81.66 59.46,80 58.12,78.66 58.12,51.99 59.68,50.44 59.68,49.52 57.48,47.32 57.48,40.02 53.33,35.87 53.33,31.16 55.47,29.02 56.99,29.02 61.98,24.02 61.98,17.66 63.64,16 63.64,8.44 64.45,7.63 ; 356.04,45.73 SW71.1 356.04,45.73 ; 299.9,64.78 300.2,64.78 ; 299.9,64.78 299.6,64.78 ; 299.9,64.78 299.6,64.78 ; 299.9,64.78 300.2,64.78 SW51.1 ; 299.9,64.78 300.2,64.78 ; SW31.1 238.63,83.83 237.46,85 237.46,97 236.46,98 206.46,98 204.95,99.51 SW11.1 ; SW31.1 247.63,83.83 253.46,78 290.46,78 291.46,77 291.46,66 292.68,64.78 299.6,64.78 ; 64.45,7.63 SW91.1 64.45,7.63 ; A1.2 397.18,111.71 397.18,91.8 397.55,91.43 397.55,65.11 v1(393.43,60.99)
